# Altium PCB Thunderscope_Rev5.PCBDOC (part 6 of 7)
Units mm, origin at the board's own origin, x right, y up, seen from the top; angles counter-clockwise.
Board outline 119 x 103.6 mm, 6 copper layers (Top Layer, Int1 (GND), Int2 (Sign), Int3 (Sign), Int4 (GND), Bottom Layer), stack 1.49 mm thick; 745 components, 417 nets, 2478 pads, 1216 vias.
Unrouted connection lines stored in the file: 495.
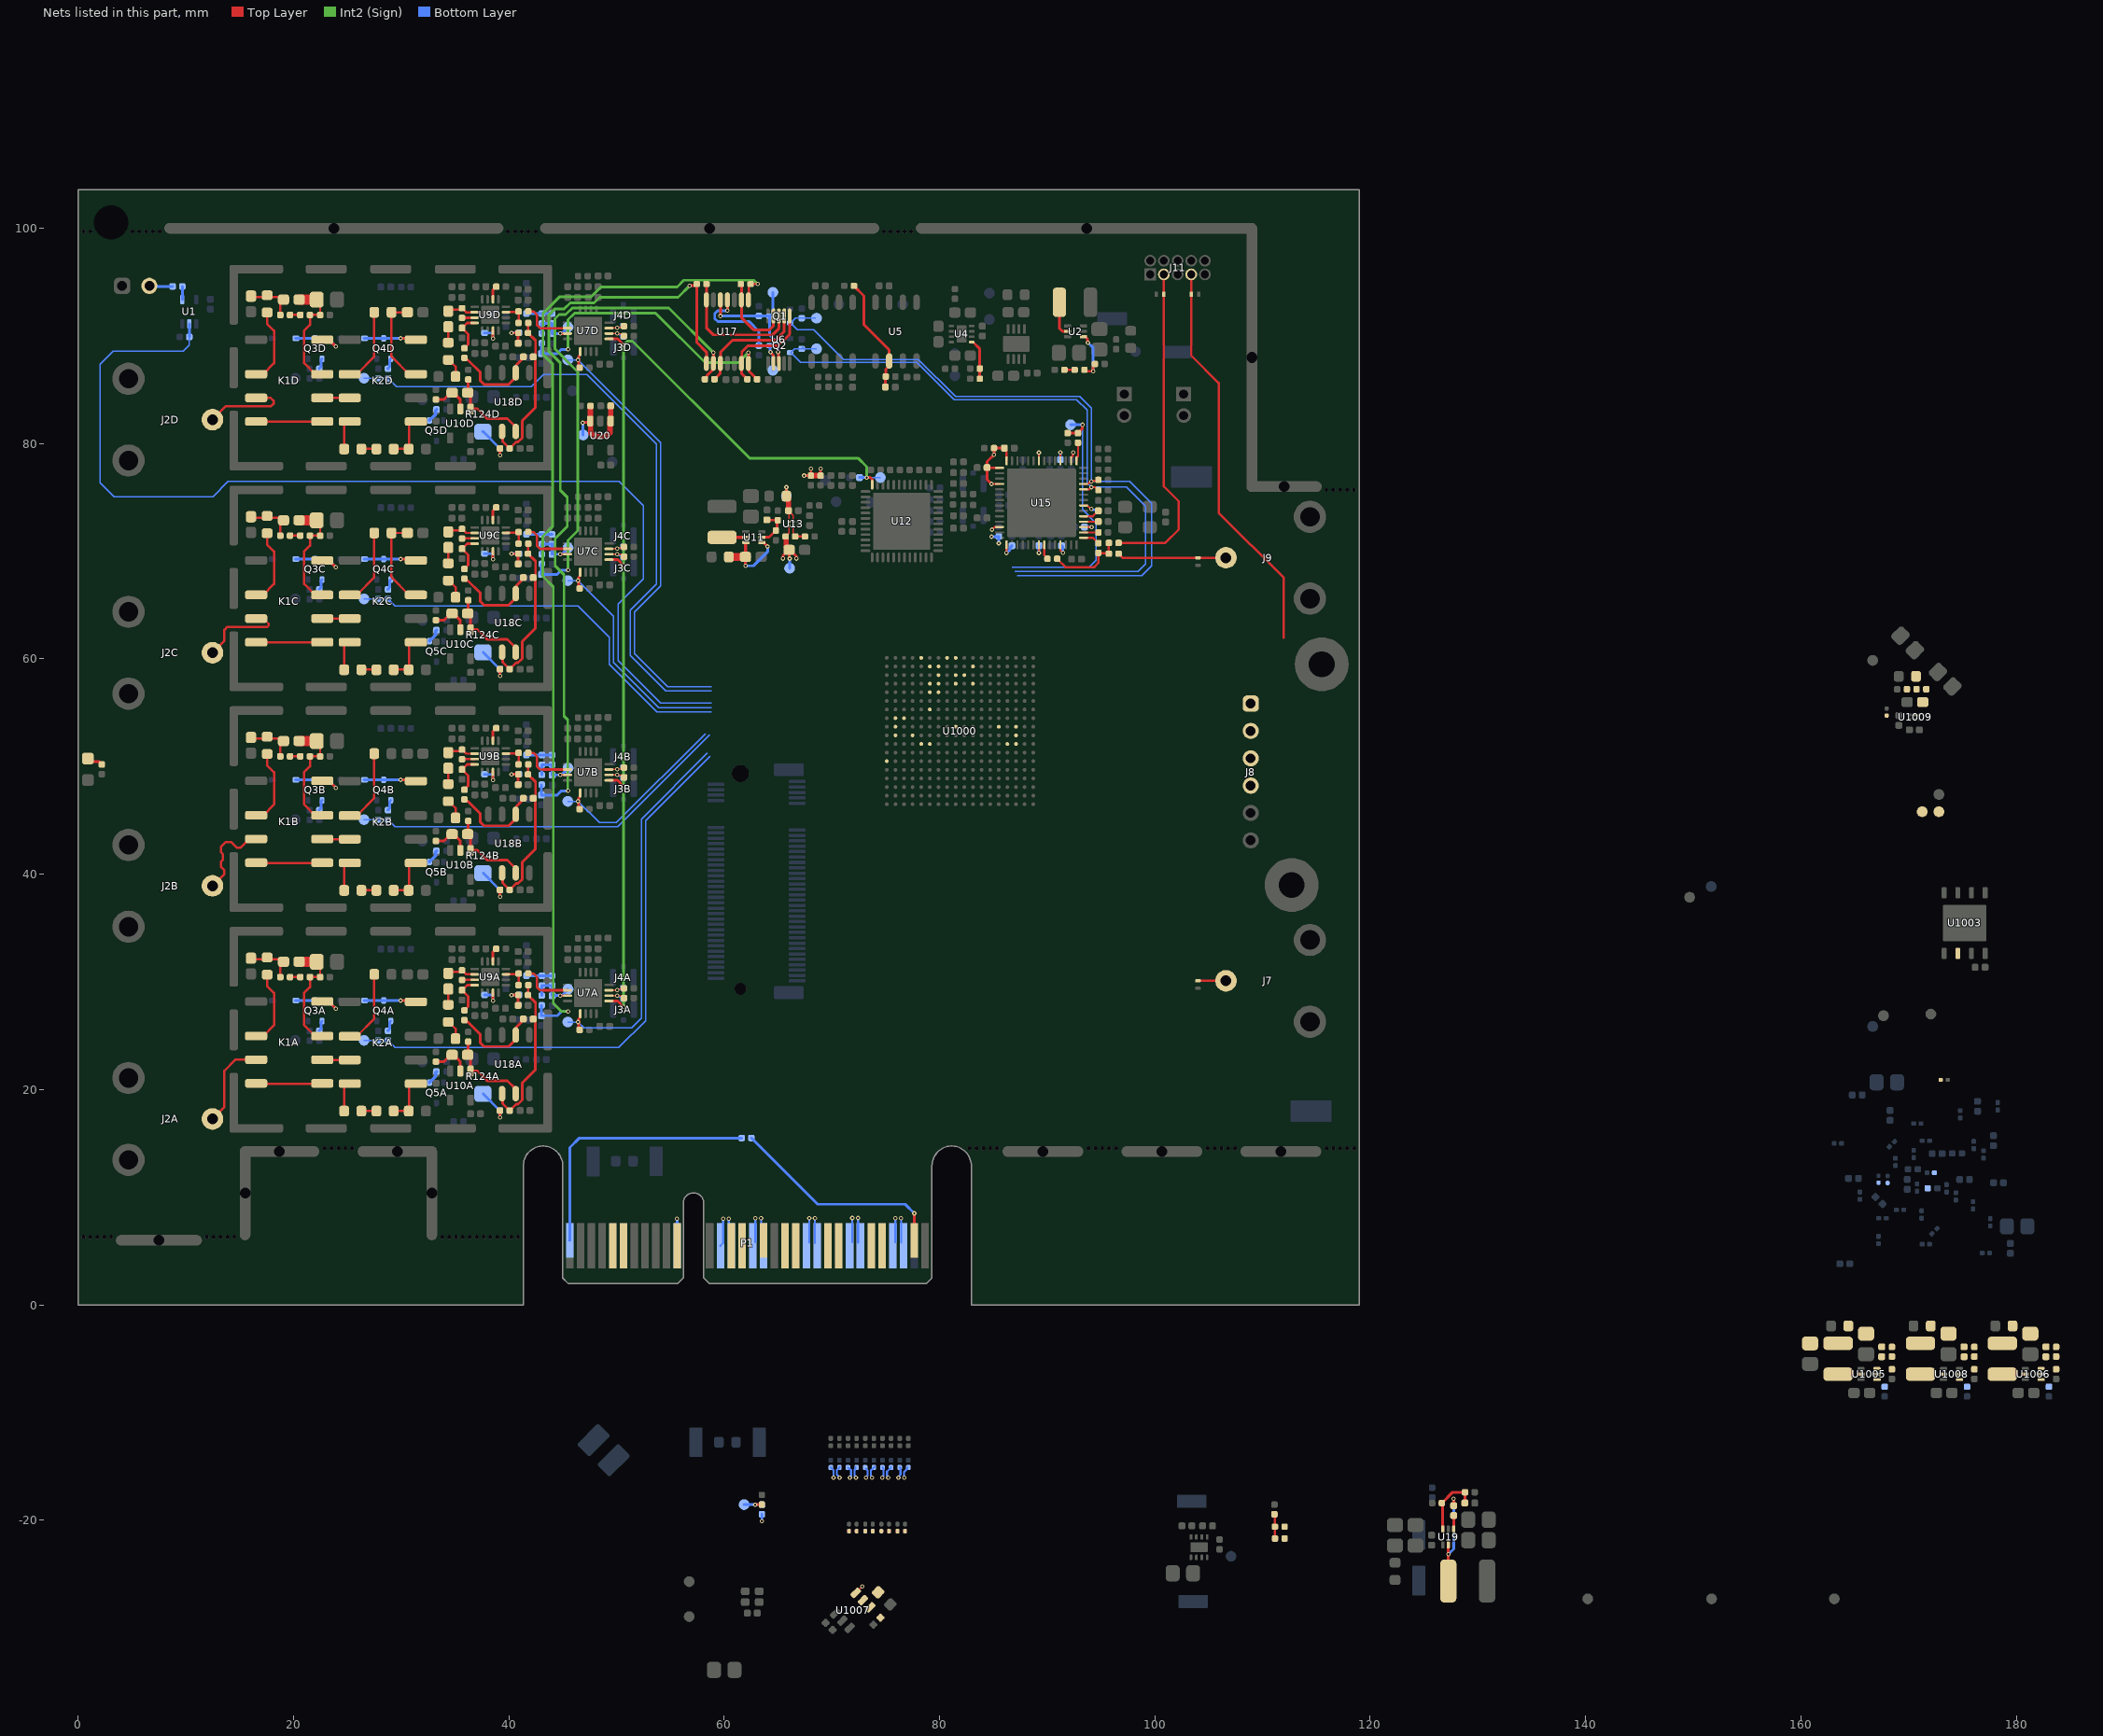
[diagram p10: the nets of this part, all layers, seen from the top]

## Via types
v1: diameter 0.406, hole 0.203, Top Layer to Bottom Layer, tented both sides, 1216 vias

## Nets (pads, with @x,y where several pads share a name; then routed paths per layer and width w, separated by ;. In a path a pad name is that pad's centre, name@x,y a point inside that pad or via, vN(x,y) a via of type N, cw(c..) or ccw(c..) an arc to the next point about the centre after c; other vN are vias at no path point) (continued)
NetC20C_1: C20C.1 K2C.7 R31C.2 | length 8.5
  Top Layer w0.213: C20C.1@30.575,71.7 R31C.2@29.1,71.7 29.1,67.585 30.735,65.95 K2C.7@31.365,65.95
NetC20D_1: C20D.1 K2D.7 R31D.2 | length 8.5
  Top Layer w0.213: C20D.1@30.575,92.2 R31D.2@29.1,92.2 29.1,88.085 30.735,86.45 K2D.7@31.365,86.45
NetC21A_1: C21A.1 C23A.2 K1A.7 R33A.2 R35A.2 | length 10.3
  Top Layer w0.213: K1A.7@22.025,24.95 21,25.975 21,29 21.525,29.525 R33A.2@21.525,30.45 22.475,30.45 C23A.2@22.475,31.55
  Top Layer w0.254: C23A.2@22.15,31.875 C23A.2@22.475,31.55
  Top Layer w0.95: C21A.1@20.525,31.875 C23A.2@22.15,31.875
NetC21A_2: C21A.2 C22A.2 R32A.1 R43A.1 | length 4.7
  Top Layer w0.213: C22A.2@16.05,32.2 16.15,32.1 18.85,32.1 C21A.2@19.075,31.875 18.775,31.575 R32A.1@18.775,30.45
NetC21B_1: C21B.1 C23B.2 K1B.7 R33B.2 R35B.2 | length 10.3
  Top Layer w0.213: K1B.7@22.025,45.45 21,46.475 21,49.5 21.525,50.025 R33B.2@21.525,50.95 22.475,50.95 C23B.2@22.475,52.05
  Top Layer w0.254: C23B.2@22.15,52.375 C23B.2@22.475,52.05
  Top Layer w0.95: C21B.1@20.525,52.375 C23B.2@22.15,52.375
NetC21B_2: C21B.2 C22B.2 R32B.1 R43B.1 | length 4.7
  Top Layer w0.213: C22B.2@16.05,52.7 16.15,52.6 18.85,52.6 C21B.2@19.075,52.375 18.775,52.075 R32B.1@18.775,50.95
NetC21C_1: C21C.1 C23C.2 K1C.7 R33C.2 R35C.2 | length 10.3
  Top Layer w0.213: K1C.7@22.025,65.95 21,66.975 21,70 21.525,70.525 R33C.2@21.525,71.45 22.475,71.45 C23C.2@22.475,72.55
  Top Layer w0.254: C23C.2@22.15,72.875 C23C.2@22.475,72.55
  Top Layer w0.95: C21C.1@20.525,72.875 C23C.2@22.15,72.875
NetC21C_2: C21C.2 C22C.2 R32C.1 R43C.1 | length 4.7
  Top Layer w0.213: C22C.2@16.05,73.2 16.15,73.1 18.85,73.1 C21C.2@19.075,72.875 18.775,72.575 R32C.1@18.775,71.45
NetC21D_1: C21D.1 C23D.2 K1D.7 R33D.2 R35D.2 | length 10.3
  Top Layer w0.213: K1D.7@22.025,86.45 21,87.475 21,90.5 21.525,91.025 R33D.2@21.525,91.95 22.475,91.95 C23D.2@22.475,93.05
  Top Layer w0.254: C23D.2@22.15,93.375 C23D.2@22.475,93.05
  Top Layer w0.95: C21D.1@20.525,93.375 C23D.2@22.15,93.375
NetC21D_2: C21D.2 C22D.2 R32D.1 R43D.1 | length 4.7
  Top Layer w0.213: C22D.2@16.05,93.7 16.15,93.6 18.85,93.6 C21D.2@19.075,93.375 18.775,93.075 R32D.1@18.775,91.95
NetC26A_1: C26A.1 R65A.2 U9A.2 | length 2.8
  Top Layer w0.213: C26A.1@34.375,30.911 C26A.1@34.375,30.8 34.513,30.938 35.512,30.938 R65A.2@35.65,31.075 35.664,31.075 36.039,30.7 U9A.2@36.825,30.7
NetC26A_2: C26A.2 R54A.2 | length 1.5
  Top Layer w0.213: R54A.2@34.375,27.875 C26A.2@34.375,29.35
NetC26B_1: C26B.1 R65B.2 U9B.2 | length 2.8
  Top Layer w0.213: C26B.1@34.375,51.411 C26B.1@34.375,51.3 34.513,51.438 35.512,51.438 R65B.2@35.65,51.575 35.664,51.575 36.039,51.2 U9B.2@36.825,51.2
NetC26B_2: C26B.2 R54B.2 | length 1.5
  Top Layer w0.213: R54B.2@34.375,48.375 C26B.2@34.375,49.85
NetC26C_1: C26C.1 R65C.2 U9C.2 | length 2.8
  Top Layer w0.213: C26C.1@34.375,71.911 C26C.1@34.375,71.8 34.513,71.938 35.512,71.938 R65C.2@35.65,72.075 35.664,72.075 36.039,71.7 U9C.2@36.825,71.7
NetC26C_2: C26C.2 R54C.2 | length 1.5
  Top Layer w0.213: R54C.2@34.375,68.875 C26C.2@34.375,70.35
NetC26D_1: C26D.1 R65D.2 U9D.2 | length 2.8
  Top Layer w0.213: C26D.1@34.375,92.411 C26D.1@34.375,92.3 34.513,92.438 35.512,92.438 R65D.2@35.65,92.575 35.664,92.575 36.039,92.2 U9D.2@36.825,92.2
NetC26D_2: C26D.2 R54D.2 | length 1.5
  Top Layer w0.213: R54D.2@34.375,89.375 C26D.2@34.375,90.85
NetC27A_1: C27A.1 R96A.1 U10A.2 | length 3.6
  Top Layer w0.254: R96A.1@33.225,22.6 33.975,22.6 34.32,22.945 34.335,22.945 34.725,23.335 34.725,23.35 35.493,22.582 35.493,21.857 U10A.2@35.5,21.85
NetC27A_2: C27A.2 R122A.2 U10A.1 U18A.3 | length 7.6
  Top Layer w0.25: 38.5,20.825 39.86,20.825 40.635,20.05 U18A.3@40.635,19.625
  Top Layer w0.254: C27A.2@36.175,23.225 36.2,23.25 36.2,24.425 R122A.2@36.225,24.45 ; U10A.1@36.45,21.725 37.075,21.725 37.975,20.825 38.5,20.825 ; U10A.1@36.45,22.062 C27A.2@36.45,23.075
NetC27B_1: C27B.1 R96B.1 U10B.2 | length 3.6
  Top Layer w0.254: R96B.1@33.225,43.1 33.975,43.1 34.32,43.445 34.335,43.445 34.725,43.835 34.725,43.85 35.493,43.082 35.493,42.357 U10B.2@35.5,42.35
NetC27B_2: C27B.2 R122B.2 U10B.1 U18B.3 | length 7.6
  Top Layer w0.25: 38.5,41.325 39.86,41.325 40.635,40.55 U18B.3@40.635,40.125
  Top Layer w0.254: C27B.2@36.175,43.725 36.2,43.75 36.2,44.925 R122B.2@36.225,44.95 ; U10B.1@36.45,42.225 37.075,42.225 37.975,41.325 38.5,41.325 ; U10B.1@36.45,42.562 C27B.2@36.45,43.575
NetC27C_1: C27C.1 R96C.1 U10C.2 | length 3.6
  Top Layer w0.254: R96C.1@33.225,63.6 33.975,63.6 34.32,63.945 34.335,63.945 34.725,64.335 34.725,64.35 35.493,63.582 35.493,62.857 U10C.2@35.5,62.85
NetC27C_2: C27C.2 R122C.2 U10C.1 U18C.3 | length 7.6
  Top Layer w0.25: 38.5,61.825 39.86,61.825 40.635,61.05 U18C.3@40.635,60.625
  Top Layer w0.254: C27C.2@36.175,64.225 36.2,64.25 36.2,65.425 R122C.2@36.225,65.45 ; U10C.1@36.45,62.725 37.075,62.725 37.975,61.825 38.5,61.825 ; U10C.1@36.45,63.062 C27C.2@36.45,64.075
NetC27D_1: C27D.1 R96D.1 U10D.2 | length 3.6
  Top Layer w0.254: R96D.1@33.225,84.1 33.975,84.1 34.32,84.445 34.335,84.445 34.725,84.835 34.725,84.85 35.493,84.082 35.493,83.357 U10D.2@35.5,83.35
NetC27D_2: C27D.2 R122D.2 U10D.1 U18D.3 | length 7.6
  Top Layer w0.25: 38.5,82.325 39.86,82.325 40.635,81.55 U18D.3@40.635,81.125
  Top Layer w0.254: C27D.2@36.175,84.725 36.2,84.75 36.2,85.925 R122D.2@36.225,85.95 ; U10D.1@36.45,83.225 37.075,83.225 37.975,82.325 38.5,82.325 ; U10D.1@36.45,83.562 C27D.2@36.45,84.575
NetC28A_1: C28A.1 FB4A.1 R99A.1 | length 2.4
  Top Layer w0.25: R99A.1@40.875,28.775 40.87,28.77 40.87,27.83 C28A.1@40.865,27.825 C28A.1@40.92,27.77
  Top Layer w0.254: v1(40.25,28.775) 40.865,28.775 R99A.1@40.87,28.77
  Bottom Layer w0.254: v1(40.25,28.775) 40.263,28.787 40.938,28.787 FB4A.1@40.95,28.8
NetC28B_1: C28B.1 FB4B.1 R99B.1 | length 2.4
  Top Layer w0.25: R99B.1@40.875,49.275 40.87,49.27 40.87,48.33 C28B.1@40.865,48.325 C28B.1@40.92,48.27
  Top Layer w0.254: v1(40.25,49.275) 40.865,49.275 R99B.1@40.87,49.27
  Bottom Layer w0.254: v1(40.25,49.275) 40.263,49.287 40.938,49.287 FB4B.1@40.95,49.3
NetC28C_1: C28C.1 FB4C.1 R99C.1 | length 2.4
  Top Layer w0.25: R99C.1@40.875,69.775 40.87,69.77 40.87,68.83 C28C.1@40.865,68.825 C28C.1@40.92,68.77
  Top Layer w0.254: v1(40.25,69.775) 40.865,69.775 R99C.1@40.87,69.77
  Bottom Layer w0.254: v1(40.25,69.775) 40.263,69.788 40.938,69.788 FB4C.1@40.95,69.8
NetC28D_1: C28D.1 FB4D.1 R99D.1 | length 2.4
  Top Layer w0.25: R99D.1@40.875,90.275 40.87,90.27 40.87,89.33 C28D.1@40.865,89.325 C28D.1@40.92,89.27
  Top Layer w0.254: v1(40.25,90.275) 40.865,90.275 R99D.1@40.87,90.27
  Bottom Layer w0.254: v1(40.25,90.275) 40.263,90.288 40.938,90.288 FB4D.1@40.95,90.3
NetC29A_2: C29A.2 R100A.1 U9A.4 | length 3.6
  Top Layer w0.25: R100A.1@35.875,27.35 36.225,27.7 36.225,28.66 C29A.2@35.65,29.235 35.656,29.235 36.121,29.7 U9A.4@36.825,29.7
NetC29B_2: C29B.2 R100B.1 U9B.4 | length 3.6
  Top Layer w0.25: R100B.1@35.875,47.85 36.225,48.2 36.225,49.16 C29B.2@35.65,49.735 35.656,49.735 36.121,50.2 U9B.4@36.825,50.2
NetC29C_2: C29C.2 R100C.1 U9C.4 | length 3.6
  Top Layer w0.25: R100C.1@35.875,68.35 36.225,68.7 36.225,69.66 C29C.2@35.65,70.235 35.656,70.235 36.121,70.7 U9C.4@36.825,70.7
NetC29D_2: C29D.2 R100D.1 U9D.4 | length 3.6
  Top Layer w0.25: R100D.1@35.875,88.85 36.225,89.2 36.225,90.16 C29D.2@35.65,90.735 35.656,90.735 36.121,91.2 U9D.4@36.825,91.2
NetC30A_1: C30A.1 R100A.2 U18A.6 | length 8.7
  Top Layer w0.254: R100A.2@35.875,26.45 36.034,26.291 36.184,26.291 37.325,25.15 37.325,24.375 37.7,24 39.985,24 40.701,24.716 40.701,25.811 C30A.1@41.44,26.55
NetC30A_2: C30A.2 R98A.1 R99A.2 R121A.2 U18A.2 | length 15.4
  Top Layer w0.213: R99A.2@41.788,28.788 R98A.1@41.788,29.688
  Top Layer w0.25: R99A.2@41.775,28.775 42.475,28.075 C30A.2@42.475,26.765 ; C30A.2@42.26,26.55 C30A.2@42.475,26.765 ; 42.475,26.1 C30A.2@42.475,26.765
  Top Layer w0.254: U18A.2@39.365,19.625 39.431,19.559 39.431,18.694 R121A.2@40.075,18.05 40.671,18.646 40.864,18.646 41.245,19.026 41.245,20.62 42.475,21.85 42.475,26.1 ; C30A.2@42.459,26.451 C30A.2@42.459,26.649
NetC30B_1: C30B.1 R100B.2 U18B.6 | length 8.7
  Top Layer w0.254: R100B.2@35.875,46.95 36.034,46.791 36.184,46.791 37.325,45.65 37.325,44.875 37.7,44.5 39.985,44.5 40.701,45.216 40.701,46.311 C30B.1@41.44,47.05
NetC30B_2: C30B.2 R98B.1 R99B.2 R121B.2 U18B.2 | length 15.4
  Top Layer w0.213: R99B.2@41.788,49.288 R98B.1@41.788,50.188
  Top Layer w0.25: R99B.2@41.775,49.275 42.475,48.575 C30B.2@42.475,47.265 ; C30B.2@42.26,47.05 C30B.2@42.475,47.265 ; 42.475,46.6 C30B.2@42.475,47.265
  Top Layer w0.254: U18B.2@39.365,40.125 39.431,40.059 39.431,39.194 R121B.2@40.075,38.55 40.671,39.146 40.864,39.146 41.245,39.526 41.245,41.12 42.475,42.35 42.475,46.6 ; C30B.2@42.459,46.951 C30B.2@42.459,47.149
NetC30C_1: C30C.1 R100C.2 U18C.6 | length 8.7
  Top Layer w0.254: R100C.2@35.875,67.45 36.034,67.291 36.184,67.291 37.325,66.15 37.325,65.375 37.7,65 39.985,65 40.701,65.716 40.701,66.811 C30C.1@41.44,67.55
NetC30C_2: C30C.2 R98C.1 R99C.2 R121C.2 U18C.2 | length 15.4
  Top Layer w0.213: R99C.2@41.788,69.788 R98C.1@41.788,70.688
  Top Layer w0.25: R99C.2@41.775,69.775 42.475,69.075 C30C.2@42.475,67.765 ; C30C.2@42.26,67.55 C30C.2@42.475,67.765 ; 42.475,67.1 C30C.2@42.475,67.765
  Top Layer w0.254: U18C.2@39.365,60.625 39.431,60.559 39.431,59.694 R121C.2@40.075,59.05 40.671,59.646 40.864,59.646 41.245,60.026 41.245,61.62 42.475,62.85 42.475,67.1 ; C30C.2@42.459,67.451 C30C.2@42.459,67.649
NetC30D_1: C30D.1 R100D.2 U18D.6 | length 8.7
  Top Layer w0.254: R100D.2@35.875,87.95 36.034,87.791 36.184,87.791 37.325,86.65 37.325,85.875 37.7,85.5 39.985,85.5 40.701,86.216 40.701,87.311 C30D.1@41.44,88.05
NetC30D_2: C30D.2 R98D.1 R99D.2 R121D.2 U18D.2 | length 15.4
  Top Layer w0.213: R99D.2@41.775,90.275 41.788,90.288 41.788,91.188 R98D.1@41.8,91.2
  Top Layer w0.25: R99D.2@41.775,90.275 42.475,89.575 C30D.2@42.475,88.265 ; C30D.2@42.26,88.05 C30D.2@42.475,88.265 ; 42.475,87.6 C30D.2@42.475,88.265
  Top Layer w0.254: U18D.2@39.365,81.125 39.431,81.059 39.431,80.194 R121D.2@40.075,79.55 40.671,80.146 40.864,80.146 41.245,80.526 41.245,82.12 42.475,83.35 42.475,87.6 ; C30D.2@42.459,87.951 C30D.2@42.459,88.149
NetC31A_1: C31A.1 FB7A.2 R118A.1 R119A.2 TP25A.1 U7A.7 | length 5.3
  Top Layer w0.25: v1@44.761,28.725 v1(44.775,28.725) U7A.7@45.45,28.725
  Bottom Layer w0.254: FB7A.2@43.062,28.737 R118A.1@43.062,29.662 ; R118A.1@43.075,29.675 R119A.2@44.025,29.675 ; R119A.2@44.025,29.7 44.025,28.735 44.03,28.73 44.77,28.73 v1(44.775,28.725) 44.804,28.754 44.929,28.754 TP25A.1@45.5,29.325
NetC31B_1: C31B.1 FB7B.2 R118B.1 R119B.2 TP25B.1 U7B.7 | length 5.3
  Top Layer w0.25: v1@44.761,49.225 v1(44.775,49.225) U7B.7@45.45,49.225
  Bottom Layer w0.254: FB7B.2@43.062,49.237 R118B.1@43.062,50.162 ; R118B.1@43.075,50.175 R119B.2@44.025,50.175 ; R119B.2@44.025,50.2 44.025,49.235 44.03,49.23 44.77,49.23 v1(44.775,49.225) 44.804,49.254 44.904,49.254 TP25B.1@45.5,49.85
NetC31C_1: C31C.1 FB7C.2 R118C.1 R119C.2 TP25C.1 U7C.7 | length 5.3
  Top Layer w0.25: v1@44.761,69.725 v1(44.775,69.725) U7C.7@45.45,69.725
  Bottom Layer w0.25: R119C.2@44.025,70.7 44.025,69.735 44.03,69.73 44.77,69.73 v1(44.775,69.725) 44.805,69.755 44.93,69.755 TP25C.1@45.5,70.325
  Bottom Layer w0.254: FB7C.2@43.062,69.738 R118C.1@43.062,70.663 ; R118C.1@43.075,70.675 R119C.2@44.025,70.675
NetC31D_1: C31D.1 FB7D.2 R118D.1 R119D.2 TP25D.1 U7D.7 | length 5.3
  Top Layer w0.25: v1@44.761,90.225 v1(44.775,90.225) U7D.7@45.45,90.225
  Bottom Layer w0.254: FB7D.2@43.05,90.225 43.062,90.238 43.062,91.162 R118D.1@43.075,91.175 R119D.2@44.025,91.175 C31D.1@44.025,90.21 44.032,90.217 44.767,90.217 44.804,90.254 44.929,90.254 TP25D.1@45.5,90.825
NetC51_1: C51.1 R37.1 R39.2 U11.5 | length 3.6
  Top Layer w0.254: U11.5@63.49,71.3 64.175,71.3 64.9,72.025 64.9,72.8 R37.1@64.975,72.875 64.955,72.895 63.995,72.895 C51.1@63.975,72.915
NetC52_2: C52.2 R36.2 TP27.1 U11.3 U11.4 | length 8.3
  Top Layer w0.254: v1(61.975,68.645) C52.2@61.975,69.475 C52.2@61.992,69.492 ; U11.3@61.992,70.782 U11.3@62.01,70.8 ; U11.4@63.49,70.8 63.675,70.8 v1(64.025,70.45)
  Top Layer w0.3: C52.2@61.992,69.492 U11.3@61.992,70.782
  Top Layer w0.75: R36.2@60.425,69.475 C52.2@61.975,69.475
  Bottom Layer w0.254: TP27.1@61.975,69.475 v1(61.975,68.645) 62.72,68.645 64.025,69.95 v1(64.025,70.45)
NetC59_2: C59.2 R58.2 TP36.1 U13.A2 U13.B2 | length 5.3
  Top Layer w0.127: C59.2@65.965,73.775 C59.2@66.025,73.715 ; U13.A2@66.025,72.75 C59.2@66.025,73.715 ; U13.B2@66.425,72.75 66.425,73.315 C59.2@66.025,73.715
  Top Layer w0.254: R58.2@65.775,75.125 v1(65.775,75.955)
  Top Layer w0.5: R58.2@65.775,75.125 65.965,74.935 C59.2@65.965,73.775
  Bottom Layer w0.254: TP36.1@65.775,75.125 v1(65.775,75.955)
NetC60_2: C60.2 FB1.1 FB2.1 FB3.1 R59.2 TP37.1 U13.A1 | length 10.5
  Top Layer w0.127: R59.2@65.7,71.375 66.025,71.7 U13.A1@66.025,72.35
  Top Layer w0.254: v1(65.45,69.325) 65.465,69.34 65.465,69.628 65.962,70.125 65.975,70.125 C60.2@66.025,70.125 ; v1(66.075,69.32) 66.05,69.345 66.05,70.1 C60.2@66.025,70.125 ; v1(66.7,69.325) 66.671,69.354 66.671,69.589 66.135,70.125 C60.2@66.025,70.125 ; v1(67.42,77.025) FB2.1@68.05,77.025 v1(68.05,77.655) ; FB1.1@68.95,77.025 v1(68.95,77.655)
  Top Layer w0.5: R59.2@65.7,71.375 65.75,71.325 65.75,70.35 C60.2@65.975,70.125 ; FB2.1@68.05,77.025 FB1.1@68.95,77.025
  Bottom Layer w0.254: TP37.1@66.075,68.425 v1(66.075,69.32) ; v1(84.825,71.35) 84.837,71.362 85.487,71.362 FB3.1@85.5,71.375 v1(85.5,70.745)
NetC96_1: C96.1 U15.15 | length 1.6
  Top Layer w0.2: U15.15@93.375,71.25 94.26,71.25 C96.1@94.75,70.76
NetC97_1: C97.1 U15.16 | length 1.4
  Top Layer w0.2: U15.16@93.375,71.75 C97.1@94.74,71.75
NetC98_1: C98.1 U15.18 | length 1.4
  Top Layer w0.2: U15.18@93.375,72.75 C98.1@94.74,72.75
NetC99_1: C99.1 U15.19 | length 1.6
  Top Layer w0.2: U15.19@93.375,73.25 94.24,73.25 C99.1@94.74,73.75
NetC100_2: C100.2 R14.1 R16.2 U5.2 | length 10.9
  Top Layer w0.254: R16.2@72.05,94.65 72.975,93.725 72.975,91.05 75.32,88.705 U5.2@75.32,87.675 75.32,87.226 75,86.906 R14.1@75,86.225 74.982,86.207 74.982,85.268 C100.2@74.965,85.25
NetC117_1: C117.1 L3.1 U19.2 | length 9.4
  Top Layer w0.254: L3.1@127.25,-25.65 v1(127.25,-23.15) U19.2@127.25,-22.29 ; C117.1@127.751,-18.639 v1(127.752,-18.002)
  Bottom Layer w0.254: v1(127.25,-23.15) 127.752,-22.648 v1(127.752,-18.002)
NetC117_2: C117.2 U19.4 | length 1.3
  Top Layer w0.254: U19.4@127.75,-20.81 C117.2@127.75,-19.56
NetC118_1: C118.1 R113.1 R114.2 U19.6 | length 6
  Top Layer w0.254: U19.6@126.75,-20.81 126.727,-20.787 126.727,-18.477 R114.2@126.65,-18.4 127.65,-17.4 R113.1@128.8,-17.4 128.795,-17.405 128.795,-18.395 C118.1@128.79,-18.4
NetC125_2: C125.2 R117.2 TP52.1 U20.1 U20.3 | length 9
  Top Layer w0.254: v1(46.868,81.93) 46.897,81.959 47.409,81.959 U20.3@47.55,82.1
  Top Layer w0.5: R117.2@47.575,83.5 47.563,83.488 47.563,82.113 U20.3@47.55,82.1 47.6,82.05 47.6,80.993 47.893,80.7 49.107,80.7 49.4,80.993 49.4,82.05 49.455,82.105 49.455,83.495 C125.2@49.46,83.5
  Bottom Layer w0.254: v1(46.868,81.93) 46.884,81.914 46.884,80.816 TP52.1@46.9,80.8
NetC1064_2: C1064.2 FB1001.1 U1000.J10
NetC1071_1: C1071.1 R1048.1 R1049.2 U1005.5
NetC1071_2: C1071.2 C1073.2 C1074.2 L1000.2 R1046.1 R1048.2
NetC1075_1: C1075.1 R1053.1 R1054.2 U1006.5
NetC1075_2: C1075.2 C1079.2 L1001.2 R1050.1 R1053.2
NetC1077_2: C1077.2 R1051.1 U1007.1 U1007.2
NetC1080_1: C1080.1 R1058.1 R1060.2 U1008.5
NetC1080_2: C1080.2 C1083.2 L1002.2 R1055.1 R1058.2
NetC1081_2: C1081.2 R1056.1 R1059.2 U1009.A1
NetD1_2: D1.2 R67.1 | length 1.4
  Top Layer w0.254: D1.2@0.9,50.5 0.925,50.475 1.912,50.475 2.188,50.2 R67.1@2.2,50.2
NetD2A_2: D2A.2 K1A.8 Q3A.1 | length 5.3
  Top Layer w0.254: K1A.8@23.3,28.15 v1(23.925,27.525)
  Bottom Layer w0.254: D2A.2@20.18,28.275 Q3A.1@22,28.275 22.017,28.258 22.467,28.258 ; Q3A.1@22.108,28.258 23.192,28.258 v1(23.925,27.525)
NetD2B_2: D2B.2 K1B.8 Q3B.1 | length 5.3
  Top Layer w0.254: K1B.8@23.3,48.65 v1(23.925,48.025)
  Bottom Layer w0.254: D2B.2@20.18,48.775 Q3B.1@22,48.775 22.017,48.758 22.467,48.758 ; Q3B.1@22.108,48.758 23.192,48.758 v1(23.925,48.025)
NetD2C_2: D2C.2 K1C.8 Q3C.1 | length 4.8
  Top Layer w0.254: K1C.8@23.3,69.15 v1(23.925,68.525)
  Bottom Layer w0.254: D2C.2@20.18,69.275 Q3C.1@22,69.275 Q3C.1@22.017,69.258 ; Q3C.1@22.108,69.258 23.192,69.258 v1(23.925,68.525)
NetD2D_2: D2D.2 K1D.8 Q3D.1 | length 5.6
  Top Layer w0.254: K1D.8@22.67,89.65 23.3,89.65 v1(23.925,89.025)
  Bottom Layer w0.254: D2D.2@20.18,89.775 Q3D.1@22,89.775 22.091,89.775 22.108,89.758 23.192,89.758 v1(23.925,89.025)
NetD3A_2: D3A.2 K2A.8 Q4A.1 | length 4.8
  Top Layer w0.254: v1(29.95,28.275) K2A.8@31.37,28.275
  Bottom Layer w0.254: D3A.2@26.555,28.275 Q4A.1@28.375,28.275 v1(29.95,28.275)
NetD3B_2: D3B.2 K2B.8 Q4B.1 | length 4.8
  Top Layer w0.254: v1(29.95,48.775) K2B.8@31.37,48.775
  Bottom Layer w0.254: D3B.2@26.555,48.775 Q4B.1@28.375,48.775 v1(29.95,48.775)
NetD3C_2: D3C.2 K2C.8 Q4C.1 | length 4.8
  Top Layer w0.254: v1(29.95,69.275) K2C.8@31.37,69.275
  Bottom Layer w0.254: D3C.2@26.555,69.275 Q4C.1@28.375,69.275 v1(29.95,69.275)
NetD3D_2: D3D.2 K2D.8 Q4D.1 | length 4.8
  Top Layer w0.254: v1(29.95,89.775) K2D.8@31.37,89.775
  Bottom Layer w0.254: D3D.2@26.555,89.775 Q4D.1@28.375,89.775 v1(29.95,89.775)
NetFB6A_2: FB6A.2 R118A.2 R119A.1 | length 2.4
  Bottom Layer w0.254: FB6A.2@41.625,30.575 R118A.2@43.075,30.575 R119A.1@44.025,30.575
NetFB6B_2: FB6B.2 R118B.2 R119B.1 | length 2.4
  Bottom Layer w0.254: FB6B.2@41.625,51.075 R118B.2@43.075,51.075 R119B.1@44.025,51.075
NetFB6C_2: FB6C.2 R118C.2 R119C.1 | length 2.4
  Bottom Layer w0.254: FB6C.2@41.625,71.575 R118C.2@43.075,71.575 R119C.1@44.025,71.575
NetFB6D_2: FB6D.2 R118D.2 R119D.1 | length 2.4
  Bottom Layer w0.254: FB6D.2@41.625,92.075 R118D.2@43.075,92.075 R119D.1@44.025,92.075
NetJ1_2: J1.2 R1.1 | length 2.2
  Top Layer w0.254: J1.2@6.62,94.5 J1.2@6.623,94.497
  Bottom Layer w0.254: J1.2@6.628,94.602 8.772,94.602 R1.1@8.775,94.6
NetJ2A_1: J2A.1 K1A.3 | length 8.3
  Top Layer w0.213: J2A.1@12.475,17.275 13.575,18.375 13.575,21.75 14.6,22.775 K1A.3@16.53,22.775
NetJ2B_1: J2B.1 K1B.3 | length 8.4
  Top Layer w0.213: J2B.1@12.475,38.925 13.575,40.025 13.575,40.375 13.25,40.7 13.25,41.15 13.45,41.35 13.45,41.862 13.25,42.062 13.25,42.525 13.725,43 14.203,43 14.728,42.475 15.1,42.475 15.9,43.275 K1B.3@16.53,43.275
NetJ2C_1: J2C.1 K1C.3 | length 8.4
  Top Layer w0.213: J2C.1@12.475,60.575 13.575,61.675 13.575,62.7 13.85,62.975 17.56,62.975 17.685,63.1 17.685,63.276 17.211,63.75 K1C.3@16.53,63.75
NetJ2D_1: J2D.1 K1D.3 | length 8.3
  Top Layer w0.213: J2D.1@12.475,82.225 13.725,83.475 17.925,83.475 18.15,83.7 18.15,83.975 17.875,84.25 K1D.3@16.53,84.25
NetK1A_2: K1A.2 R43A.2 | length 7.1
  Top Layer w0.213: K1A.2@16.53,24.95 17.175,24.95 18.2,25.975 18.2,28.975 17.55,29.625 R43A.2@17.55,30.675
NetK1A_4: K1A.4 K1A.5 | length 6.1
  Top Layer w0.213: K1A.4@16.53,20.55 K1A.5@22.67,20.55
NetK1A_6: K1A.6 K2A.3 | length 4.1
  Top Layer w0.213: K1A.6@22.67,22.75 K2A.3@25.225,22.75 25.043,22.568 K2A.3@24.393,22.568 ; K2A.3@25.23,22.875 K2A.3@25.86,22.875
NetK1B_2: K1B.2 R43B.2 | length 7.1
  Top Layer w0.213: K1B.2@16.53,45.45 17.175,45.45 18.2,46.475 18.2,49.475 17.55,50.125 R43B.2@17.55,51.175
NetK1B_4: K1B.4 K1B.5 | length 6.1
  Top Layer w0.213: K1B.4@16.53,41.05 K1B.5@22.67,41.05
NetK1B_6: K1B.6 K2B.3 | length 4.1
  Top Layer w0.213: K1B.6@22.67,43.25 K2B.3@25.225,43.25 25.043,43.068 K2B.3@24.393,43.068 ; K2B.3@25.23,43.375 K2B.3@25.86,43.375
NetK1C_2: K1C.2 R43C.2 | length 7.1
  Top Layer w0.213: K1C.2@16.53,65.95 17.175,65.95 18.2,66.975 18.2,69.975 17.55,70.625 R43C.2@17.55,71.675
NetK1C_4: K1C.4 K1C.5 | length 6.1
  Top Layer w0.213: K1C.4@16.53,61.55 K1C.5@22.67,61.55
NetK1C_6: K1C.6 K2C.3 | length 4.1
  Top Layer w0.213: K1C.6@22.67,63.75 K2C.3@25.225,63.75 25.043,63.568 K2C.3@24.393,63.568 ; K2C.3@25.23,63.875 K2C.3@25.86,63.875
NetK1D_2: K1D.2 R43D.2 | length 7.1
  Top Layer w0.213: K1D.2@16.53,86.45 17.175,86.45 18.2,87.475 18.2,90.475 17.55,91.125 R43D.2@17.55,92.175
NetK1D_4: K1D.4 K1D.5 | length 6.1
  Top Layer w0.213: K1D.4@16.53,82.05 K1D.5@22.67,82.05
NetK1D_6: K1D.6 K2D.3 | length 2.6
  Top Layer w0.213: K1D.6@22.67,84.25 K2D.3@25.225,84.25
NetK2A_2: K2A.2 R31A.1 | length 7.1
  Top Layer w0.213: K2A.2@25.225,24.95 25.875,24.95 27.5,26.575 R31A.1@27.5,30.7
NetK2A_4: K2A.4 R30A.1 | length 3
  Top Layer w0.213: R30A.1@24.7,18 K2A.4@24.7,20.314 ; K2A.4@24.7,20.389 24.986,20.675 K2A.4@25.23,20.675
NetK2A_5: K2A.5 R29A.2 R41A.2 | length 4.5